# Altium PCB ToneReal_Adapter_v1.0.PcbDoc
Units mm, origin at the board's own origin, x right, y up, seen from the top; angles counter-clockwise.
Board outline 82 x 27 mm, 2 copper layers (Top Layer, Bottom Layer); 52 components, 26 nets, 175 pads, 40 vias.
Unrouted connection lines stored in the file: 1.
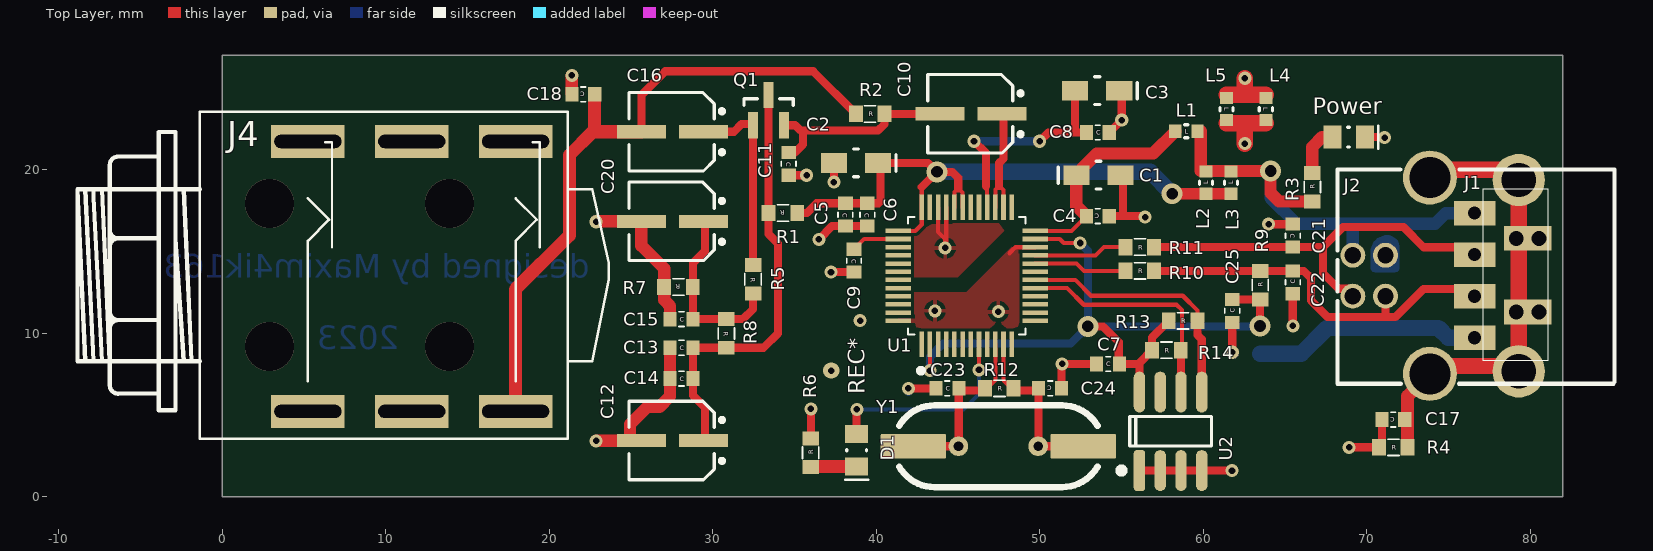
[diagram p0: Top Layer view]
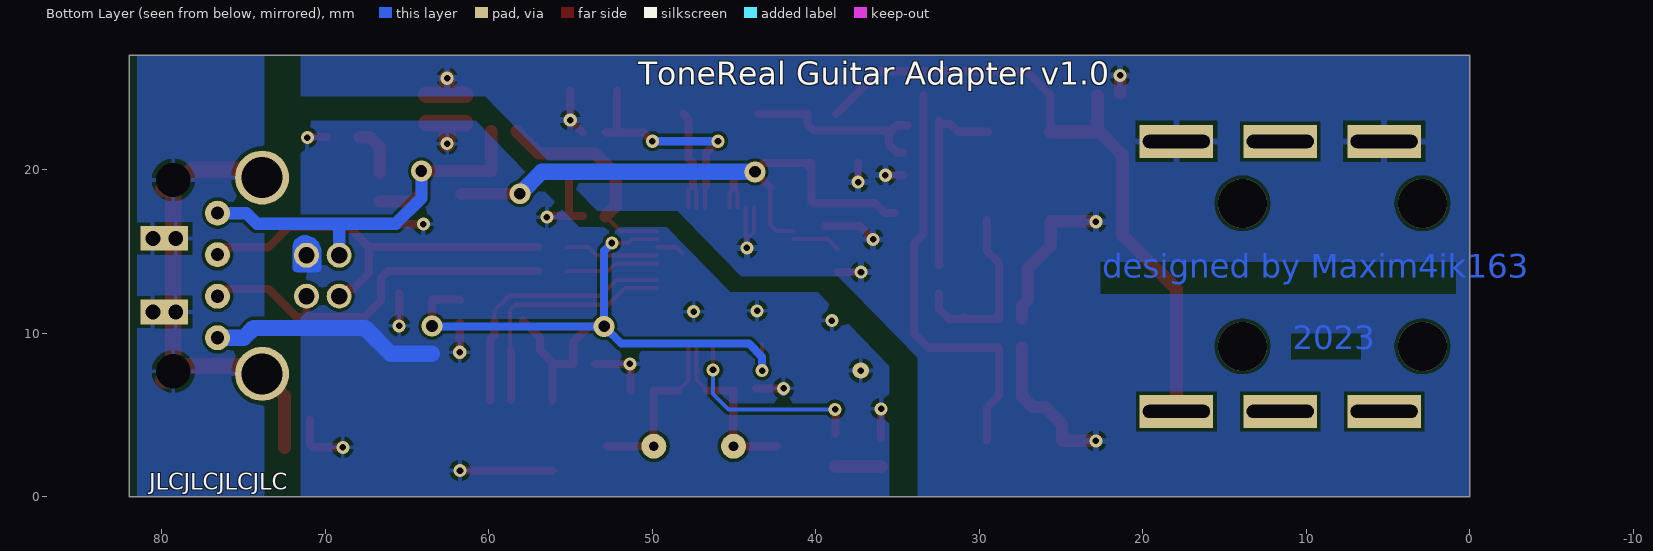
[diagram p1: Bottom Layer view, seen from below]

## Layer stack, top to bottom
Top Solder: solder mask 0.0102, Solder Resist, Dk 3.5
Top Layer: signal copper 0.0356
Dielectric1: dielectric 0.32, FR-4, Dk 4.8
Bottom Layer: signal copper 0.0356
Bottom Solder: solder mask 0.0102, Solder Resist, Dk 3.5

## Board outline
0,0 82,0 82,27 0,27

## Design rules (kind name [scope] priority, off if disabled: settings)
Clearance Clearance_1 [(IsRegion) vs (IsText)] p1: gap=0 ignorepadtopadclearanceinfootprint=FALSE
Clearance [All] p2: gap=0.2 ignorepadtopadclearanceinfootprint=FALSE except(0: Arc-Hole Track-Hole SMDPad-Hole THPad-Hole Via-Hole Fill-Hole Poly-Hole Region-Hole Text-Hole)
ComponentClearance [NOT(InComponent('J1') or InComponent('J2')) vs NOT(InComponent('J1') or InComponent('J2'))] p1: gap=0.254 collisioncheckmode=3 verticalgap=0.254 showdistances=FALSE
HoleSize [All] p1: absolutevalues=TRUE maxlimit=5 minlimit=0.025 maxpercent=80.000 minpercent=20.000
MinimumSolderMaskSliver [All] p1: minsoldermaskwidth=0.01
PlaneConnect [All] p1: planeconnectstyle=Relief reliefexpansion=0.508 reliefentries=4 reliefconductorwidth=0.4 reliefairgap=0.2
PolygonConnect [All] p1: connectstyle=Relief reliefconductorwidth=0.4 reliefentries=4 polygonreliefangle="90 Angle" airgapwidth=0.254
RoutingVias [All] p1: holewidth=0.711 width=1.27 viastyle="Through Hole" minholewidth=0.4 minwidth=0.8 maxholewidth=0.711 maxwidth=1.27
SilkToSilkClearance [All] p1: silktosilkclearance=0.054
SilkToSolderMaskClearance SilkscreenOverComponentPads [NOT(InComponent('J4'))] p1: minsilkscreentomaskgap=0.05 clearancetoexposedcopper=TRUE
SolderMaskExpansion [All] p1: expansion=0.102 istentingtop=FALSE
Width [All] p1: maxlimit=1 minlimit=0.2 preferedwidth=0.5 minimp=50.000000 maximp=50.000000 favimp=50.000000
24 further rules are at their usual default settings.

## Components (designator, comment, footprint, x,y, rotation, side; value= is the part's Value field where it differs from the comment)
C1 "22uF/6.3V" "TECAP SMD_A (IPC-3216)" 53.596,19.678 r0 top
C2 "22uF/6.3V" "TECAP SMD_A (IPC-3216)" 38.767,20.42 r180 top
C3 "22uF/6.3V" "TECAP SMD_A (IPC-3216)" 53.521,24.84 r180 top
C4 "100nF" "CERCAP SMD0603L (IPC1608L)" 53.559,17.168 r180 top
C5 "100nF" "CERCAP SMD0603L (IPC1608L)" 38.123,17.256 r270 top
C6 "100nF" "CERCAP SMD0603L (IPC1608L)" 39.463,17.256 r270 top
C7 "100nF" "CERCAP SMD0603L (IPC1608L)" 54.189,8.127 r0 top
C8 "100nF" "CERCAP SMD0603L (IPC1608L)" 53.559,22.282 r0 top
C9 "1uF" "CERCAP SMD0603L (IPC1608L)" 38.646,14.442 r270 top
C10 "1uF/50V" "ECAP SMD KVE 4.0X5.3" 45.805,23.429 r180 top
C11 "100pF" "CERCAP SMD0603L (IPC1608L)" 34.65,20.37 r270 top
C12 "47uF/5V" "ECAP SMD KVE 4.0X5.3" 27.544,3.451 r180 top
C13 "100nF" "CERCAP SMD0603L (IPC1608L)" 28.098,9.121 r0 top
C14 "100nF" "CERCAP SMD0603L (IPC1608L)" 28.098,7.234 r0 top
C15 "100nF" "CERCAP SMD0603L (IPC1608L)" 28.098,10.871 r0 top
C16 "4.7uF/25V" "ECAP SMD KVE 4.0X5.3" 27.544,22.329 r180 top
C17 "4.7nF" "CERCAP SMD0603L (IPC1608L)" 71.63,4.726 r180 top
C18 "100pF" "CERCAP SMD0603L (IPC1608L)" 22.092,24.618 r180 top
C20 "22uF/16V" "ECAP SMD KVE 4.0X5.3" 27.544,16.849 r180 top
C21 "100pF" "CERCAP SMD0603L (IPC1608L)" 65.482,15.976 r270 top
C22 "100pF" "CERCAP SMD0603L (IPC1608L)" 65.482,13.122 r90 top
C23 "20pF" "CERCAP SMD0603L (IPC1608L)" 44.358,6.635 r0 top
C24 "20pF" "CERCAP SMD0603L (IPC1608L)" 50.638,6.635 r180 top
C25 "100pF" "CERCAP SMD0603L (IPC1608L)" 61.782,11.372 r90 top
D1 "REC*" SMDLED_0805 38.81,2.85 r90 top
J1 "USB_A" USBA_1PLAG_NO_3D 76.599,17.35 r270 top
J2 "USB_B" USB-B 71.509,13.525 r270 top
J4 "JACK6.3_MONO_R" "JACK6.3 - DUPLICATE" 11.6,13.479 r90 top
L1 "BLM21PG221SN1" "BLM18P (0603L SIZE)" 58.976,22.359 r0 top
L2 "BLM21PG221SN1" "BLM18P (0603L SIZE)" 60.172,19.216 r90 top
L3 "BLM21PG221SN1" "BLM18P (0603L SIZE)" 61.702,19.216 r90 top
L4 "BLM21PG221SN1" "BLM18P (0603L SIZE)" 63.838,23.718 r270 top
L5 "BLM21PG221SN1" "BLM18P (0603L SIZE)" 61.43,23.718 r270 top
Power "*" SMDLED_0805 68.9,22 r180 top
Q1 "BC846B/BC850" SOT_23 33.426,23.654 r90 top
R1 "150" "RES SMD0603 (IPC-1608)" 34.301,17.364 r180 top
R2 "680" "RES SMD0603 (IPC-1608)" 39.639,23.419 r0 top
R3 "4k7" "RES SMD0603 (IPC-1608)" 66.677,18.943 r90 top
R4 "1M" "RES SMD0603 (IPC-1608)" 71.63,3.032 r0 top
R5 "100k" "RES SMD0603 (IPC-1608)" 32.476,13.31 r270 top
R6 "1k" "RES SMD0603 (IPC-1608)" 36,2.7 r90 top
R7 "100k" "RES SMD0603 (IPC-1608)" 27.914,12.839 r180 top
R8 "51k" "RES SMD0603 (IPC-1608)" 30.84,9.996 r270 top
R9 "1k5" "RES SMD0603 (IPC-1608)" 63.492,12.947 r90 top
R10 "22" "RES SMD0603 (IPC-1608)" 56.128,13.822 r0 top
R11 "22" "RES SMD0603 (IPC-1608)" 56.128,15.276 r0 top
R12 "1M" "RES SMD0603 (IPC-1608)" 47.538,6.635 r0 top
R13 "2k2" "RES SMD0603 (IPC-1608)" 58.772,10.766 r0 top
R14 "2k2" "RES SMD0603 (IPC-1608)" 57.756,8.972 r0 top
U1 "CM6327A" QFP50P900X900X160-48N 45.541,13.518 r90 top
U2 "24C02" SOIC-8 58.01,4.011 r90 top
Y1 "12MHz" HC49/U/S/HC49SM 47.473,3.096 r180 top

## Footprints (in the part's own frame and the unit in brackets; to place one, negate y for a bottom-side part, rotate by r counter-clockwise, add the part's x,y. Pads: shape width x height; smd on the part's side, far side on the other; paste and mask are expansions set on the pad)
"BLM18P (0603L SIZE)" [mm] "Chip Inductor, 2-Leads, Body 1,6x0,8mm, IPC High Density"
  rect 0.75x0.8 smd: 1(-0.675,0) 2(0.675,0)
  silkscreen extent -0.1,-0.4 0.1,0.4, body extent -0.85,-0.43 0.85,0.43, height 0.8
"CERCAP SMD0603L (IPC1608L)" [mm] "Chip Capacitor, Body 1.6x0.8mm, IPC High Density"
  rect 0.8x0.9 smd: 1(-0.7,0) 2(0.7,0)
  silkscreen extent -0.15,-0.45 0.15,0.45, body extent -0.8,-0.4 0.8,0.4, height 0.9
"ECAP SMD KVE 4.0X5.3" [mm] "Alumin Capacitor, 2-Leads, Body 4.0x5.3mm, IPC Medium Density"
  rect 3x0.8 smd: 1(-1.9,0) 2(1.9,0)
  silkscreen extent -3.15,-2.4 2.65,2.4, body extent -2.75,-2.1 2.75,2.1, height 5.5
HC49/U/S/HC49SM [mm] "GEYER KX-49 (KX-49T),KX-3H (KX-3HT),KX-K (KX-KT).KX - KS"
  rrect10% 4x1.5 smd: 1(-5.19,0) 2(5.19,0)
  round 1.2 / inner round 1.524 / far side round 1.524 hole 0.6: 1(-2.44,0) 2(2.44,0)
  silkscreen extent -6.07,-2.5 6.07,2.5, body extent -6.4,-2.41 6.4,2.41, height 4.3
"JACK6.3 - DUPLICATE" [mm]
  rect 2x4.5 hole 0.8 slot 4.1 at 90 deg: 1(-8.255,6.35) 2(-8.255,0) 3(-8.255,-6.35) 4(8.255,6.35) 5(8.255,0) 6(8.255,-6.35)
  silkscreen extent -9.93,-12.04 10.08,20.45, body extent -9.97,-12.3 10.07,20.4, height 15.49
QFP50P900X900X160-48N [mm]
  rect 1.56x0.28 smd: 1(-4.18,2.75) 2(-4.18,2.25) 3(-4.18,1.75) 4(-4.18,1.25) 5(-4.18,0.75) 6(-4.18,0.25) 7(-4.18,-0.25) 8(-4.18,-0.75) 9(-4.18,-1.25) 10(-4.18,-1.75) 11(-4.18,-2.25) 12(-4.18,-2.75) 25(4.18,-2.75) 26(4.18,-2.25) 27(4.18,-1.75) 28(4.18,-1.25) 29(4.18,-0.75) 30(4.18,-0.25) 31(4.18,0.25) 32(4.18,0.75) 33(4.18,1.25) 34(4.18,1.75) 35(4.18,2.25) 36(4.18,2.75)
  rect 0.28x1.56 smd: 13(-2.75,-4.18) 14(-2.25,-4.18) 15(-1.75,-4.18) 16(-1.25,-4.18) 17(-0.75,-4.18) 18(-0.25,-4.18) 19(0.25,-4.18) 20(0.75,-4.18) 21(1.25,-4.18) 22(1.75,-4.18) 23(2.25,-4.18) 24(2.75,-4.18) 37(2.75,4.18) 38(2.25,4.18) 39(1.75,4.18) 40(1.25,4.18) 41(0.75,4.18) 42(0.25,4.18) 43(-0.25,4.18) 44(-0.75,4.18) 45(-1.25,4.18) 46(-1.75,4.18) 47(-2.25,4.18) 48(-2.75,4.18)
  silkscreen extent -5.95,-3.6 3.6,3.6, body extent -4.5,-4.5 4.5,4.5, height 1.6
"RES SMD0603 (IPC-1608)" [mm] "Chip Resistor, 2-Leads, Body 1,6x0,8mm, IPC Medium Density"
  rect 0.85x1 smd: 1(-0.875,0) 2(0.875,0)
  silkscreen extent -0.35,-0.5 0.35,0.5, body extent -0.8,-0.45 0.8,0.45, height 0.5
SMDLED_0805 [mm]
  rect 1.1x1.4 smd: 1(-1,0) 2(1,0)
  silkscreen extent -1.8,-0.7 0.05,0.7, body extent -1,-0.6 1,0.65, height 0.81
SOIC-8 [mm] "MAX522,SN65HVD11DR"
  rrect50% 2.5x0.7 smd: 1(-2.4,1.905)
  oval 2.5x0.7 smd: 2(-2.4,0.635) 3(-2.4,-0.635) 4(-2.4,-1.905) 5(2.4,-1.905) 6(2.4,-0.635) 7(2.4,0.635) 8(2.4,1.905)
  silkscreen extent -2.52,-2.5 0.9,3.13, body extent -2.99,-2.44 3.01,2.46, height 1.75
SOT_23 [mm] "BC846, AZ23C5V1"
  rect 1.6x0.6 smd: 1(0.925,0) 2(-0.925,0.95) 3(-0.925,-0.95)
  silkscreen extent 0.3,-1.5 0.7,1.5, body extent -0.7,-1.5 0.7,1.5, height 1.1
"TECAP SMD_A (IPC-3216)" [mm] "Tantalium Capacitor, 2-Leads, Body 3,2x1,6mm, IPC Medium Density"
  rect 1.6x1.2 smd: 1(-1.35,0) 2(1.35,0)
  silkscreen extent -2.45,-0.85 0.15,0.85, body extent -1.75,-0.8 1.75,0.8, height 1.65
USB-B [mm]
  round 3.3 hole 2.5: 0(-6,2.355) 0(6,2.355)
  round 1.524 hole 1: 1(-1.25,-2.355) 2(1.25,-2.355) 3(1.25,-0.355) 4(-1.25,-0.355)
  silkscreen extent -6.5,-3.3 6.6,13.66, body extent -7.49,-3.8 7.45,12.7, height 11.25
USBA_1PLAG_NO_3D [mm]
  round 3.2 / inner round 1.524 / far side round 1.524 hole 2.1: 0(-2.025,2.7) 0(9.675,2.7)
  rect 1.499x1.499 hole 0.9: 0(1.549,3.946) 0(1.549,2.548) 0(6.044,2.548) 0(6.044,3.946)
  rect 1.5x2.54 / inner round 1.524 / far side round 1.524 hole 0.8: 1(0,0) 2(2.54,0) 3(5.08,0) 4(7.62,0)
  silkscreen extent -1.5,0.5 9,4.5

## Part data
C1 C2 C3 C4 C5 C6 C7 C8 C9 C11 C13 C14 C15 C17 C18 C21 C22 C23 C24 C25: library part "Cap Semi", "Capacitor (Semiconductor SIM Model)"
C10 C12 C16 C20: library part "Cap Pol3", "Polarized Capacitor (Surface Mount)"
D1 Power: library part LED0, "Typical INFRARED GaAs LED"
J1 J2: library part USB
L1 L2 L3 L4 L5: library part INDUCT
Q1: library part BC846B, "NPN Bipolar Transistor"
R1 R2 R3 R4 R5 R6 R7 R8 R9 R10 R11 R12 R13 R14: library part RES, "Resistor"
U1: library part CM6327_1, "CM6327"
Y1: library part TSX-3225, "3225"

## Via types
v1: diameter 0.8, hole 0.4, Top Layer to Bottom Layer, tented both sides, 29 vias
v2: diameter 1.27, hole 0.711, Top Layer to Bottom Layer, tented both sides, 5 vias
v3: diameter 3, hole 3, Top Layer to Bottom Layer, 4 vias
v4: diameter 1, hole 0.4, Top Layer to Bottom Layer, tented both sides, 1 vias
v5: diameter 0.8, hole 0.4, Top Layer to Bottom Layer, 1 vias

## Nets (pads, with @x,y where several pads share a name; then routed paths per layer and width w, separated by ;. In a path a pad name is that pad's centre, name@x,y a point inside that pad or via, vN(x,y) a via of type N, cw(c..) or ccw(c..) an arc to the next point about the centre after c; other vN are vias at no path point)
AGND: C2.2 C3.1 C5.2 C6.2 C8.2 C9.2 C11.2 C12.2 C13.1 C14.1 C15.1 C18.2 C20.2 J4.4 J4.6 L4.1 L5.1 R7.2 U1.25 U1.33 U1.34 | length 38
  Top Layer w0.254: U1.34 43.791,16.209 44.222,15.778 v1@44.222,15.245 ; v1(44.222,15.222) v1@44.222,15.245 ; U1.33 44.291,15.314 v1@44.222,15.245
  Top Layer w0.5: C11.2 v1(35.75,19.67) ; v1(36.5,15.75) 37.306,16.556 C5.2 C6.2 ; v1(37.242,13.742) C9.2 ; v5@37.417,19.308 C2.2 ; C8.2 v1(55.021,23.044) C3.1@55.021,24.84
  Top Layer w0.75: C18.2@21.393,24.683 v1(21.393,25.775) ; v1(22.876,3.426) C12.2@24.919,3.426 ; v1@22.9,16.849 C20.2 25.644,15.356 27.039,13.961 R7.2 27.039,12.036 27.398,11.677 C15.1 ; C12.2@24.944,3.451 24.944,4.444 26,5.5 26.75,5.5 27.398,6.148 C14.1 C13.1
  Top Layer w1: L5.1@61.43,24.593 62.55,24.593 ; v1(62.55,25.6) 62.55,24.593 ; L4.1@63.838,24.593 62.55,24.593
  other v1: 22.876,16.825
  other v5: 37.417,19.25
AVDD: C2.1 C5.1 C6.1 L2.1 L3.1 R1.1 U1.31 U1.32 U1.36 U1.37 | length 39.9
  Top Layer w0.254: U1.37 42.393,16.268 42.791,16.666 U1.36 42.791,18.8 ; U1.32 44.791,18.641 45.025,18.875 45.291,18.609 U1.31
  Top Layer w0.5: R1.1 35.764,17.364 36.356,17.956 C5.1 C6.1 40.156,17.956 40.267,18.067 C2.1@40.267,20.42 ; C2.1@40.475,20.212 C2.1@40.267,20.42 ; 42.791,18.941 v2(43.725,19.875) ; 45.025,18.875 45.025,19.507 44.657,19.875 v2(43.725,19.875) ; C2.1@40.267,20.42 43.18,20.42 v2(43.725,19.875)
  Top Layer w0.7: v2(58.101,18.541) L2.1 L3.1
  Bottom Layer w1: v2(43.725,19.875) 56.767,19.875 v2(58.101,18.541)
D+: C22.2 J1.3 J2.3 R9.2 R10.2 | length 24.7
  Top Layer w0.5: R10.2 60.904,13.822 ; 61.692,13.822 60.904,13.822 ; 71.154,11.096 J2.3 J2.3@71.154,12.725 ; J1.3@76.599,12.72 73.47,12.72 71.75,11 67.6,11 66.6,12 66.6,13.375 66.153,13.822 C22.2 R9.2 60.904,13.822
D-: C21.2 J1.2 J2.2 R11.2 | length 24.4
  Top Layer w0.5: R11.2 C21.2 67.324,15.276 ; J2.2@69.154,12.725 68.275,12.725 67.324,13.676 67.324,15.276 ; J1.2@76.599,15.26 73.49,15.26 72.25,16.5 68.548,16.5 67.324,15.276
DVDD5V: C1.1 C4.2 L1.1 U1.24 | length 13.5
  Top Layer w0.254: U1.24 51.958,16.268 C4.2
  Top Layer w0.75: C4.2 52.246,17.781 C1.1 52.246,19.746 53.5,21 56.942,21 L1.1
GND: C1.2 C4.1 C7.1 C17.2 C21.1 C22.1 C23.1 C24.1 C25.1 J1.4 J2.4 L4.2 L5.2 Power.1 R4.1 R6.2 U1.22 U1.48 U2.1 U2.2 U2.3 U2.4 | length 48.6
  Top Layer w0.254: v1(39.025,10.775) v1@39.032,10.768 ; 48.15,14.9 48.518,15.268 U1.22
  Top Layer w0.5: R6.2@36.016,3.6 v1(36.016,5.384) ; v1(41.978,6.635) C23.1 ; C24.1@51.338,6.51 C24.1 v1@51.338,8.092 ; v1(51.373,8.127) C7.1 ; C4.1 55.096,17.168 ; 55.096,17.175 55.096,17.168 ; C1.2@55.096,19.678 55.096,17.168 ; U2.1 U2.2 U2.3 U2.4 v1(61.764,1.611) ; v1(56.454,17.106) 56.454,17.168 55.096,17.168 ; v1(61.782,8.843) C25.1 ; v1(64,16.676) C21.1@65.284,16.676 ; C21.1@65.284,16.775 65.383,16.775 C21.1 ; v1(65.482,10.457) C22.1 ; v1(68.932,3.032) R4.1 70.93,3.207 C17.2 ; Power.1 71.075,22 v1(71.1,21.975)
  Top Layer w1: L5.2@61.43,22.843 62.55,22.843 ; v1(62.55,21.6) 62.55,22.843 ; L4.2@63.838,22.843 62.55,22.843
  Bottom Layer w0.5: v1@41.959,6.45 v1@41.978,6.43 ; v1@56.45,17.106 v1(56.454,17.106) ; v1(61.764,1.611) v1@61.825,1.55 ; v1(61.782,8.843) v1@61.9,8.725 ; J2.4@71.154,15.225 J2.4 71.154,14.096 71.25,14
  Bottom Layer w1: 63.5,8.75 66,8.75 67.575,10.325 74.387,10.325 74.982,9.73 J1.4
  other v1: 47.475,11.325 43.6,11.375
  other v4: 37.25,7.725
INPUT+: C16.2 C18.1 J4.3 R2.1 | length 41.9
  Top Layer w0.5: C16.2 25.644,24.569 27.1,26.025 36.158,26.025 R2.1
  Top Layer w0.8: J4.3@17.942,4.648 17.942,5.224 17.942,12.692 21.25,16 21.25,20.907 22.672,22.329 ; C18.1@22.768,24.533 22.768,22.425 22.672,22.329 ; C16.2 22.672,22.329
NetC3_2: C3.2 C8.1 U1.28 | length 15.8
  Top Layer w0.254: v1@45.987,21.863 v1@46.044,21.806 ; U1.28 46.791,19
  Top Layer w0.5: v1(45.987,21.75) 46.714,21.023 46.714,19 ; v1(50,21.75) 50.532,22.282 C8.1 ; 52.171,22.453 C3.2 52.171,22.969
  Bottom Layer w0.5: v1(45.987,21.75) v1(50,21.75)
NetC9_1: C9.1 U1.38 | length 3
  Top Layer w0.254: C9.1 39.272,15.768 U1.38
NetC10_1: C10.1 U1.26 U1.27 | length 7.5
  Top Layer w0.254: U1.27 47.291,18.791 47.525,19.025 47.791,18.759 U1.26
  Top Layer w0.5: 47.525,19.025 47.525,20.41 47.791,20.676 47.791,23.115 47.905,23.229 C10.1@48.105,23.429
NetC10_2: C10.2 C11.1 Q1.3 R2.2 | length 12
  Top Layer w0.5: Q1.3 35.046,22.729 35.375,22.4 35.525,22.4 ; C11.1 35.045,21.07 35.525,21.55 35.525,22.4 ; C10.2@43.495,23.419 R2.2 40.514,22.789 40.125,22.4 35.525,22.4
NetC12_1: C12.1 C13.2 C14.2 Q1.1 R1.2 R8.2 | length 26.4
  Top Layer w0.5: C12.1@29.544,3.451 29.544,5.456 28.798,6.202 C14.2 C13.2 R8.2 33.121,9.121 34,10 34,15.5 33.426,16.074 R1.2 Q1.1
NetC15_2: C15.2 C20.1 R5.2 R7.1 R8.1 | length 11.5
  Top Layer w0.5: C20.1@29.544,16.949 29.544,16.849 29.544,15.044 28.798,14.298 28.798,12.839 C15.2 R8.1 ; R8.1@30.969,11 R8.1 ; R5.2 32.476,11.476 31.871,10.871 R8.1
NetC16_1: C16.1 Q1.2 R5.1 | length 12.1
  Top Layer w0.5: C16.1 31.304,22.329 31.775,22.8 Q1.2@32.405,22.8 ; R5.1@32.42,14.185 32.448,14.213 R5.1@32.476,14.241 ; R5.1 R5.1@32.476,14.241 ; Q1.2@32.476,23.025 Q1.2 R5.1@32.476,14.241
NetD1_1: D1.1 R6.1 | length 2.8
  Top Layer w0.8: R6.1 36.025,1.85 D1.1
NetD1_2: D1.2 U1.8 | length 12.3
  Top Layer w0.254: v1(46.291,7.766) U1.8
  Top Layer w0.5: D1.2 v1@38.81,5.235
  Bottom Layer w0.254: v1(38.825,5.35) 45.35,5.35 46.291,6.291 v1(46.291,7.766)
NetPower_2: Power.2 R3.2 | length 3.1
  Top Layer w0.75: R3.2 66.677,21.402 67.275,22 Power.2
NetR10_1: R10.1 U1.20 | length 5.7
  Top Layer w0.254: U1.20 52.257,14.268 52.703,13.822 R10.1
NetR11_1: R11.1 U1.21 | length 5.7
  Top Layer w0.254: U1.21 53.418,14.768 53.926,15.276 R11.1
SCL: R14.2 U1.17 U2.6 | length 15.1
  Top Layer w0.254: U1.17 50.674,12.768 51.682,12.768 52.7,11.75 58.371,11.75 58.699,11.422 58.699,9.04 R14.2
  Top Layer w0.5: U2.6@58.645,5.911 U2.6 R14.2@58.645,8.958
SDA: R13.2 U1.18 U2.5 | length 16.3
  Top Layer w0.254: U1.18 52.182,13.268 53.15,12.3 58.75,12.3 59.647,11.403 R13.2
  Top Layer w0.5: R13.2 59.647,9.903 59.915,9.635 U2.5 U2.5@59.915,5.911
SHIELD: C17.1 J1.0 J2.0 R4.2 | length 33.2
  Top Layer w0.8: R4.2 72.505,4.726 72.505,6.166 73.864,7.525 J2.0@73.864,7.975
  Top Layer w1: J2.0@73.864,8 78.424,8 79.024,7.4 J1.0@79.299,7.125 ; J2.0@73.864,18.975 74.139,19.25 74.889,20 78.124,20 79.024,19.1 J1.0@79.299,18.825 ; J1.0@79.299,10.756 J1.0@79.299,8.125 ; J1.0@79.924,7.125 J1.0@79.299,7.125 ; J1.0@79.924,18.825 J1.0@79.299,18.825 ; J1.0@79.299,7.125 79.299,7.675 J1.0@79.299,8.125 ; J1.0@79.299,8.125 79.299,11.306 79.299,15.802 J1.0@79.299,18.825
VDD3.3V: C7.2 C25.2 R9.1 R13.1 R14.1 U1.2 U1.23 U2.8 | length 45.5
  Top Layer w0.254: v1(43.291,7.725) U1.2 ; U1.23 51.232,15.768 51.475,15.525 v1(52.475,15.525) ; 56.036,8.127 56.105,8.196 ; C25.2@61.62,11.999 61.665,11.954 C25.2@61.692,11.927
  Top Layer w0.5: v2(52.954,10.425) 53.879,10.425 54.84,9.464 54.84,8.127 C7.2 56.036,8.127 ; U2.8@56.105,5.911 U2.8 56.105,8.196 R14.1 56.881,9.75 R13.1 ; C25.2 63.475,12.072 v2(63.475,10.45)
  Bottom Layer w0.5: v1(43.291,7.725) 43.291,8.566 44.1,9.375 51.904,9.375 v2(52.954,10.425) ; v1(52.475,15.525) 52.954,15.046 v2(52.954,10.425) ; v2@63.45,10.425 v2(52.954,10.425)
VUSB: J1.1 J2.1 L1.2 L2.2 L3.2 R3.1 | length 27.3
  Top Layer w0.75: L1.2@59.851,22.359 59.851,19.928 60.172,19.928 61.702,19.928 64.125,19.928 v2(64.125,19.925) 64.125,18.6 64.657,18.068 R3.1
  Bottom Layer w0.75: v2(64.125,19.925) 64.125,18.275 65.7,16.7 69.154,16.7 ; J2.1@69.154,15.225 69.154,16.7 ; J1.1 74.836,17.35 74.186,16.7 69.154,16.7
XTAL_I: C23.2 R12.1 U1.10 Y1.2 | length 10.9
  Top Layer w0.254: R12.1@46.663,6.51 46.726,6.572 47.291,7.138 U1.10
  Top Layer w0.5: Y1.2@42.383,3.096 45.033,3.096 Y1.2@45.058,3.096 ; Y1.2@45.133,3.096 Y1.2@45.058,3.096 ; R12.1@46.663,6.51 45.058,6.51 Y1.2@45.058,3.096
XTAL_O: C24.2 R12.2 U1.11 Y1.1 | length 10.9
  Top Layer w0.254: U1.11 47.791,7.132 48.351,6.573 48.413,6.51 R12.2@48.283,6.51
  Top Layer w0.5: R12.2@48.413,6.51 49.938,6.51 Y1.1@49.938,3.096 ; Y1.1@50.013,3.096 52.663,3.096 Y1.1@52.763,3.096
pads on no net: J4.1 J4.2 J4.5 U1.1 U1.3 U1.4 U1.5 U1.6 U1.7 U1.9 U1.12 U1.13 U1.14 U1.15 U1.16 U1.19 U1.29 U1.30 U1.35 U1.39 U1.40 U1.41 U1.42 U1.43 U1.44 U1.45 U1.46 U1.47 U2.7
copper on no net:
  other v3: 2.908,9.2 13.908,9.2 2.908,17.95 13.908,17.95

## Polygon pours and split planes (outlines as drawn)
GND on Top Layer "GND_U1" (solid, remove dead copper, pour order 1000): 42.45,12.525 45.525,12.525 48.525,15.525 49.15,15.525 49.15,10 49.075,9.925 49.05,9.9 41.9,9.9 41.9,12.5 41.875,12.525 42.45,12.525
AGND on Top Layer "AGND_U1" (solid, remove dead copper, pour order 1001): 42.375,13.425 45,13.425 47.2,15.625 47.85,16.275 48.725,16.275 48.725,17.2 48.675,17.25 42.075,17.25 41.975,17.15 41.875,17.05 41.875,13.425 42.375,13.425
SHIELD on Bottom Layer "shield" (solid, remove dead copper, pour order 1002): 81.5,0 73.75,0 73.75,27 81.5,27 81.5,0
GND on Bottom Layer "GND" (solid, remove dead copper, pour order 1003): 71.5,23 68,23 68,4.5 71.5,4.5 71.5,23
GND on Bottom Layer "GND" (solid, remove dead copper, pour order 1004): 35.5,0 35.5,8 39.878,12.5 45.23,12.5 49.122,16.5 54.473,16.5 60.797,23 71.5,23 71.5,21 69.554,19 69.554,7 69.554,6.5 71.5,4.5 71.5,0 35.5,0
AGND on Bottom Layer "AGND" (solid, remove dead copper, pour order 1005): -1.5,0 33.775,0 33.775,8 33.775,8.5 37.695,12.5 38.674,13.5 44.554,13.5 47.983,17 48.473,17.5 53.372,17.5 59.252,23.5 60.232,24.5 71.5,24.5 71.5,27 -1.5,27 -1.5,0

## Other copper
Bottom Layer:
  region net GND: 70.25,14 ccw(c70.5,14) 70.5,13.75 71.75,13.75 ccw(c71.75,14) 72,14 72,15.25 ccw(c71.25,15.25) 71.25,16 ccw(c71.25,15) 70.25,15
  pour cut-out: 0,27 0,0 -1.5,0 -1.5,27
  text "designed by Maxim4ik163" at 22.475,12.9 h2.5
  text "2023" at 10.825,8.536 h2.5

## Silkscreen, mask and mechanical layers (free items; w line width, h text height)
Top Overlay:
  text "REC*" at 39.3,6.275 h1 r90
Bottom Overlay:
  text "ToneReal Guitar Adapter v1.0" at 50.85,25.2 h1.4
  text "JLCJLCJLCJLC" at 80.775,0.45 h1
Mechanical 3:
  the board outline again, w0.25

## Text inside footprints (layer, text, board x,y; h text height)
C4: Top Overlay "C" at 53.659,17.318 h0.3 r180
C5: Top Overlay "C" at 37.973,17.356 h0.3 r270
C6: Top Overlay "C" at 39.313,17.356 h0.3 r270
C7: Top Overlay "C" at 54.089,7.977 h0.3
C8: Top Overlay "C" at 53.459,22.132 h0.3
C9: Top Overlay "C" at 38.496,14.542 h0.3 r270
C11: Top Overlay "C" at 34.5,20.47 h0.3 r270
C13: Top Overlay "C" at 27.998,8.971 h0.3
C14: Top Overlay "C" at 27.998,7.084 h0.3
C15: Top Overlay "C" at 27.998,10.721 h0.3
C17: Top Overlay "C" at 71.73,4.876 h0.3 r180
C18: Top Overlay "C" at 22.192,24.768 h0.3 r180
C21: Top Overlay "C" at 65.332,16.076 h0.3 r270
C22: Top Overlay "C" at 65.632,13.022 h0.3 r90
C23: Top Overlay "C" at 44.258,6.485 h0.3
C24: Top Overlay "C" at 50.738,6.785 h0.3 r180
C25: Top Overlay "C" at 61.932,11.272 h0.3 r90
L1: Top Overlay "L" at 58.876,22.209 h0.3
L2: Top Overlay "L" at 60.322,19.116 h0.3 r90
L3: Top Overlay "L" at 61.852,19.116 h0.3 r90
L4: Top Overlay "L" at 63.688,23.818 h0.3 r270
L5: Top Overlay "L" at 61.28,23.818 h0.3 r270
R1: Top Overlay "R" at 34.401,17.514 h0.3 r180
R2: Top Overlay "R" at 39.539,23.269 h0.3
R3: Top Overlay "R" at 66.827,18.843 h0.3 r90
R4: Top Overlay "R" at 71.53,2.882 h0.3
R5: Top Overlay "R" at 32.326,13.41 h0.3 r270
R6: Top Overlay "R" at 36.15,2.6 h0.3 r90
R7: Top Overlay "R" at 28.014,12.989 h0.3 r180
R8: Top Overlay "R" at 30.69,10.096 h0.3 r270
R9: Top Overlay "R" at 63.642,12.847 h0.3 r90
R10: Top Overlay "R" at 56.028,13.672 h0.3
R11: Top Overlay "R" at 56.028,15.126 h0.3
R12: Top Overlay "R" at 47.438,6.485 h0.3
R13: Top Overlay "R" at 58.672,10.616 h0.3
R14: Top Overlay "R" at 57.656,8.822 h0.3